# Altium PCB SI942C.PcbDoc (part 1 of 3)
Units mm, origin at the board's own origin, x right, y up, seen from the top; angles counter-clockwise.
Board outline 281.94 x 89 mm, 4 copper layers (Top, MidLayer1, MidLayer2, Bottom), stack 1.65 mm thick; 305 components, 164 nets, 851 pads, 594 vias.
Unrouted connection lines stored in the file: 4.
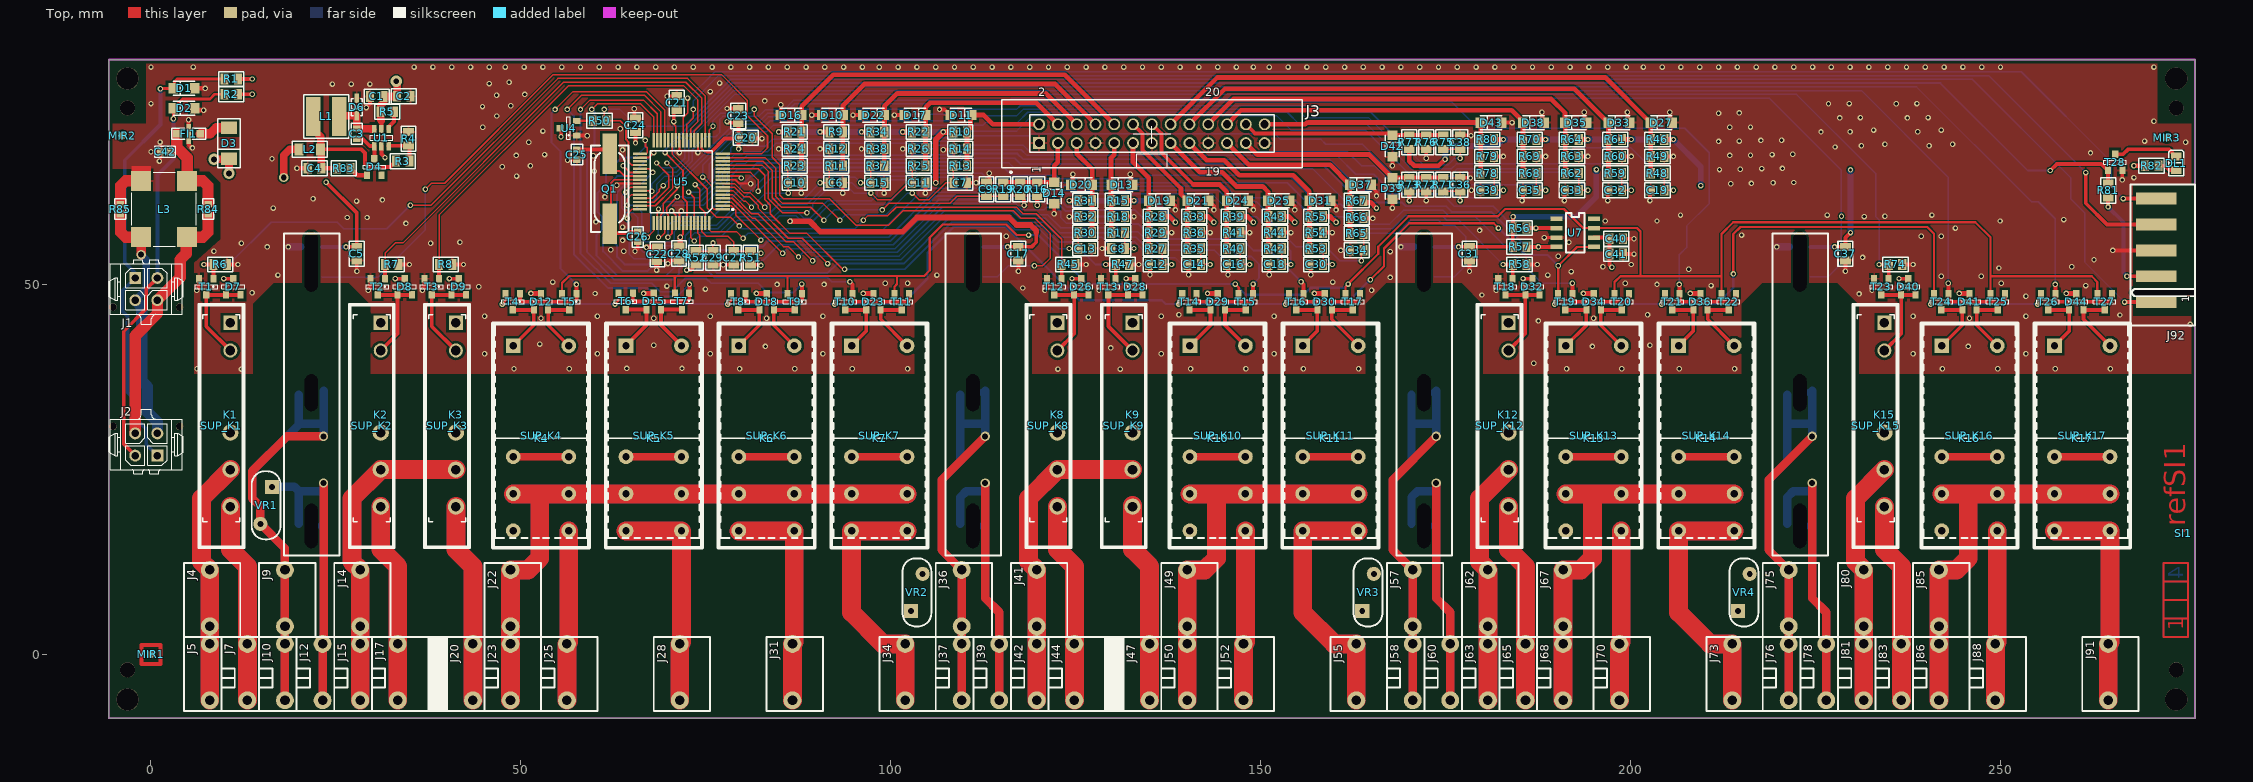
[diagram p0: Top view]
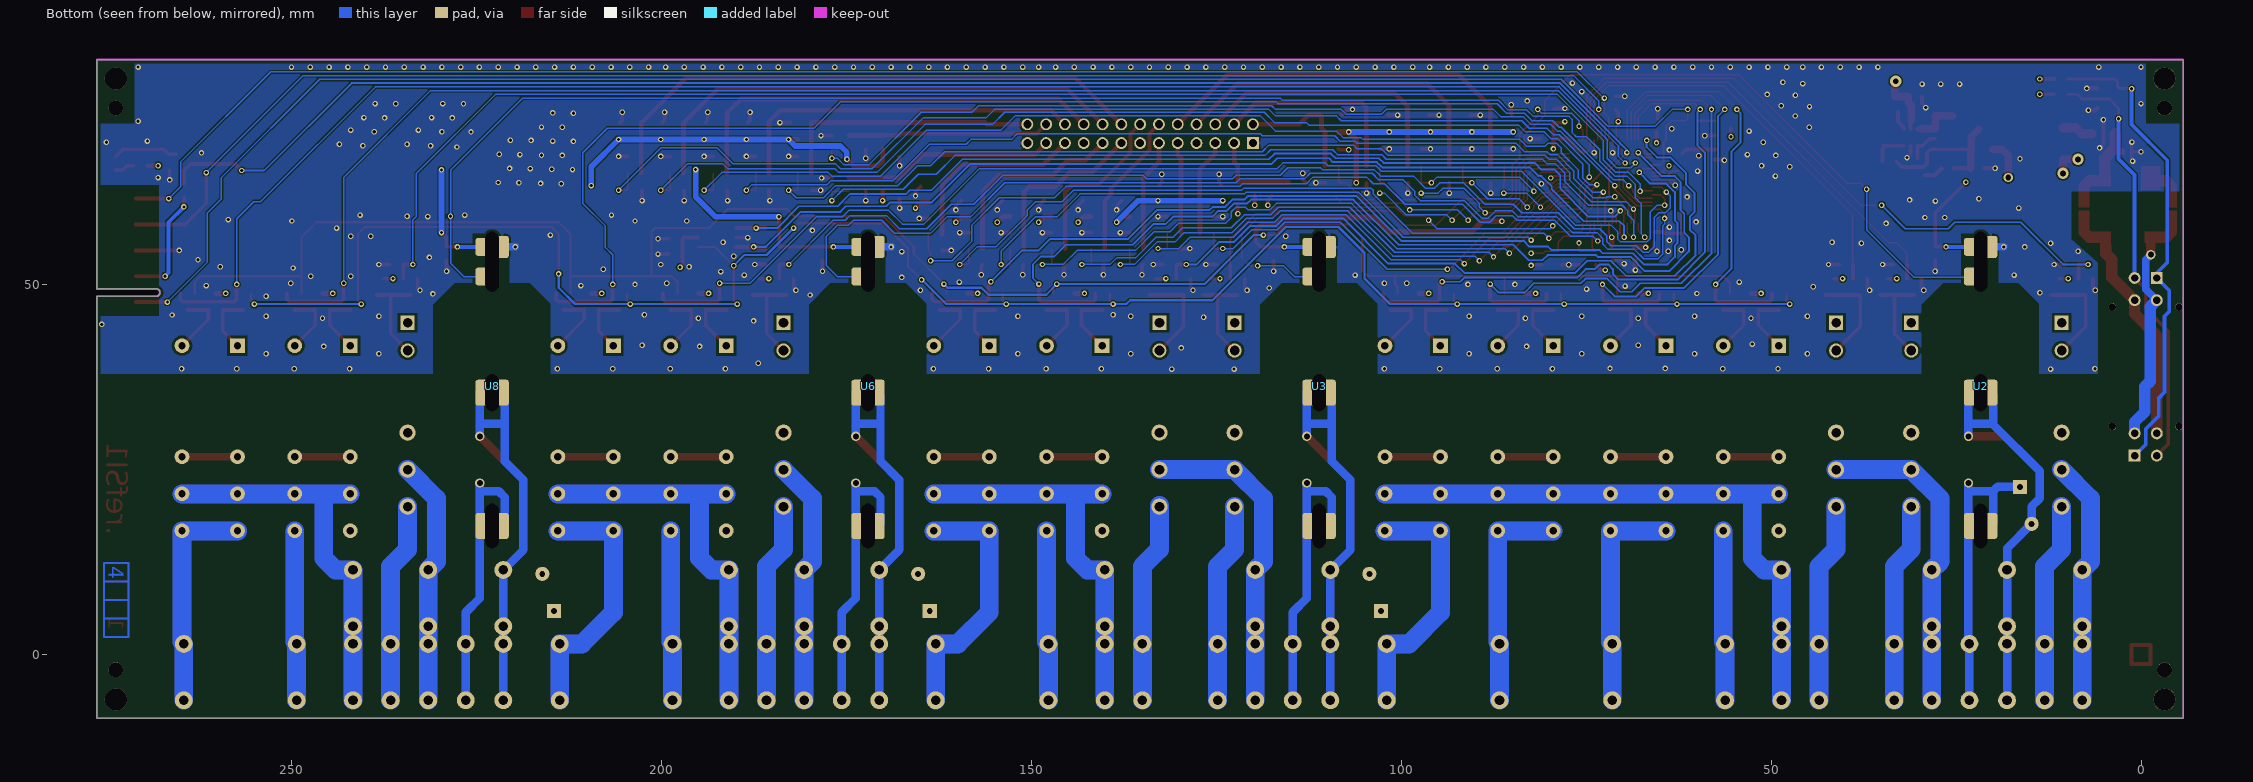
[diagram p1: Bottom view, seen from below]
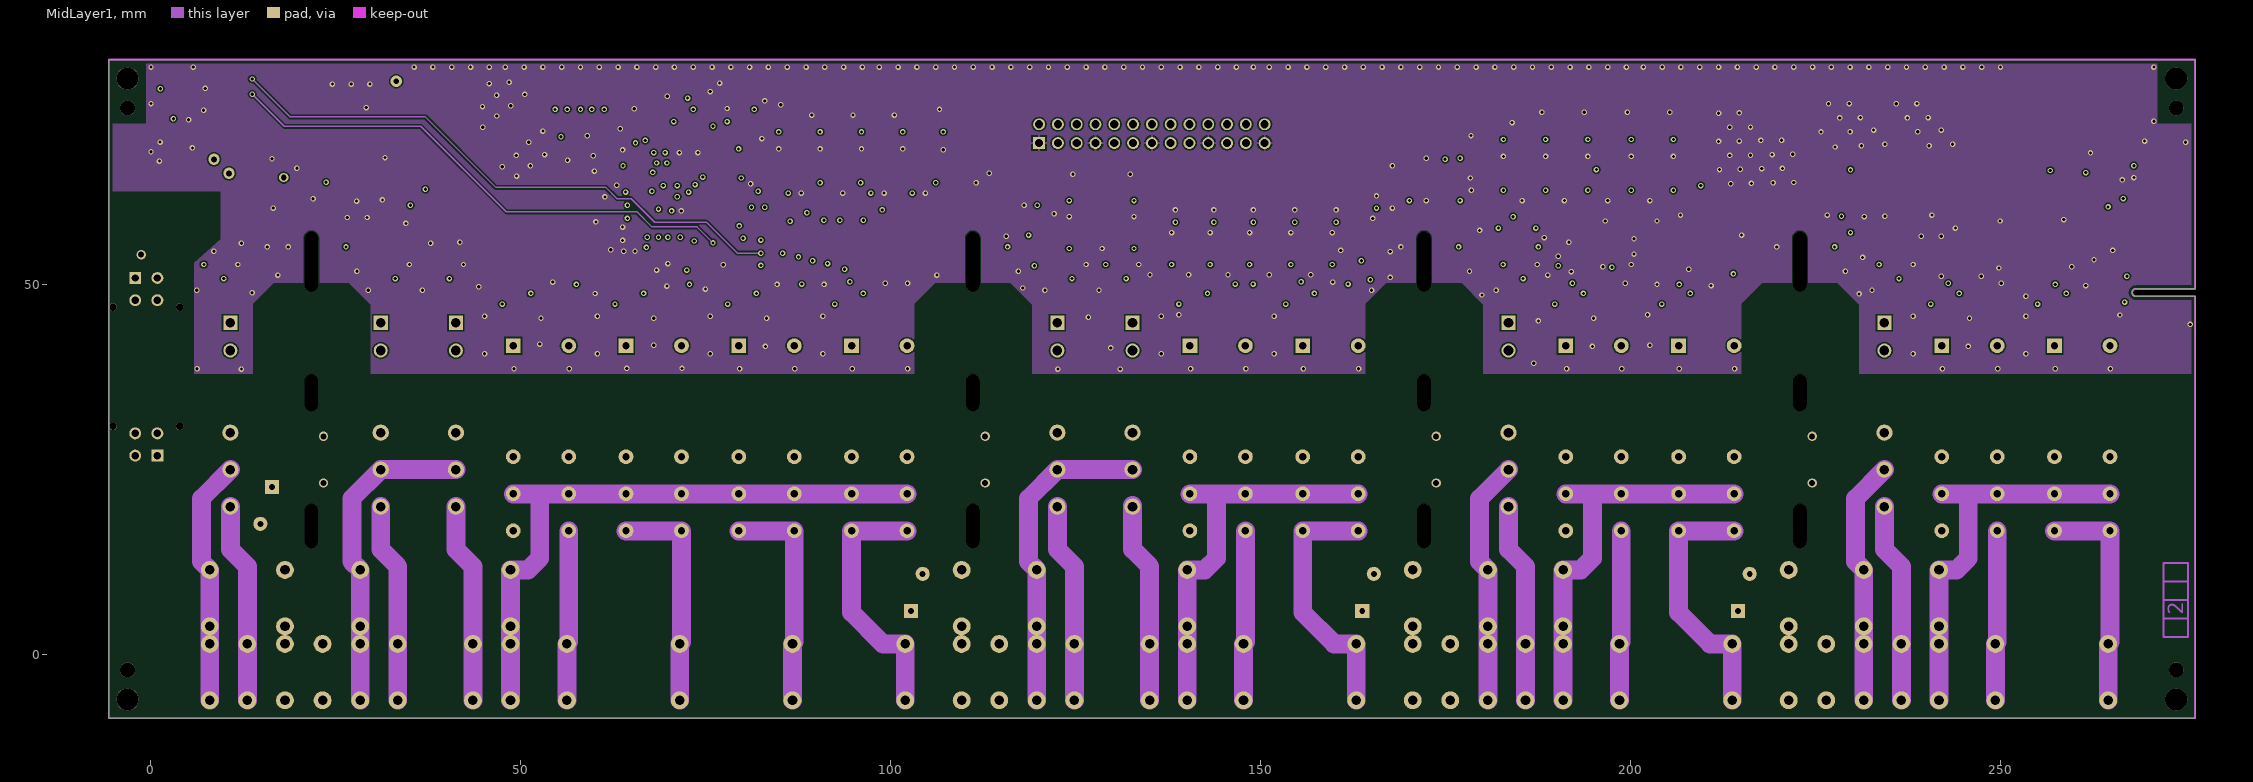
[diagram p2: MidLayer1]
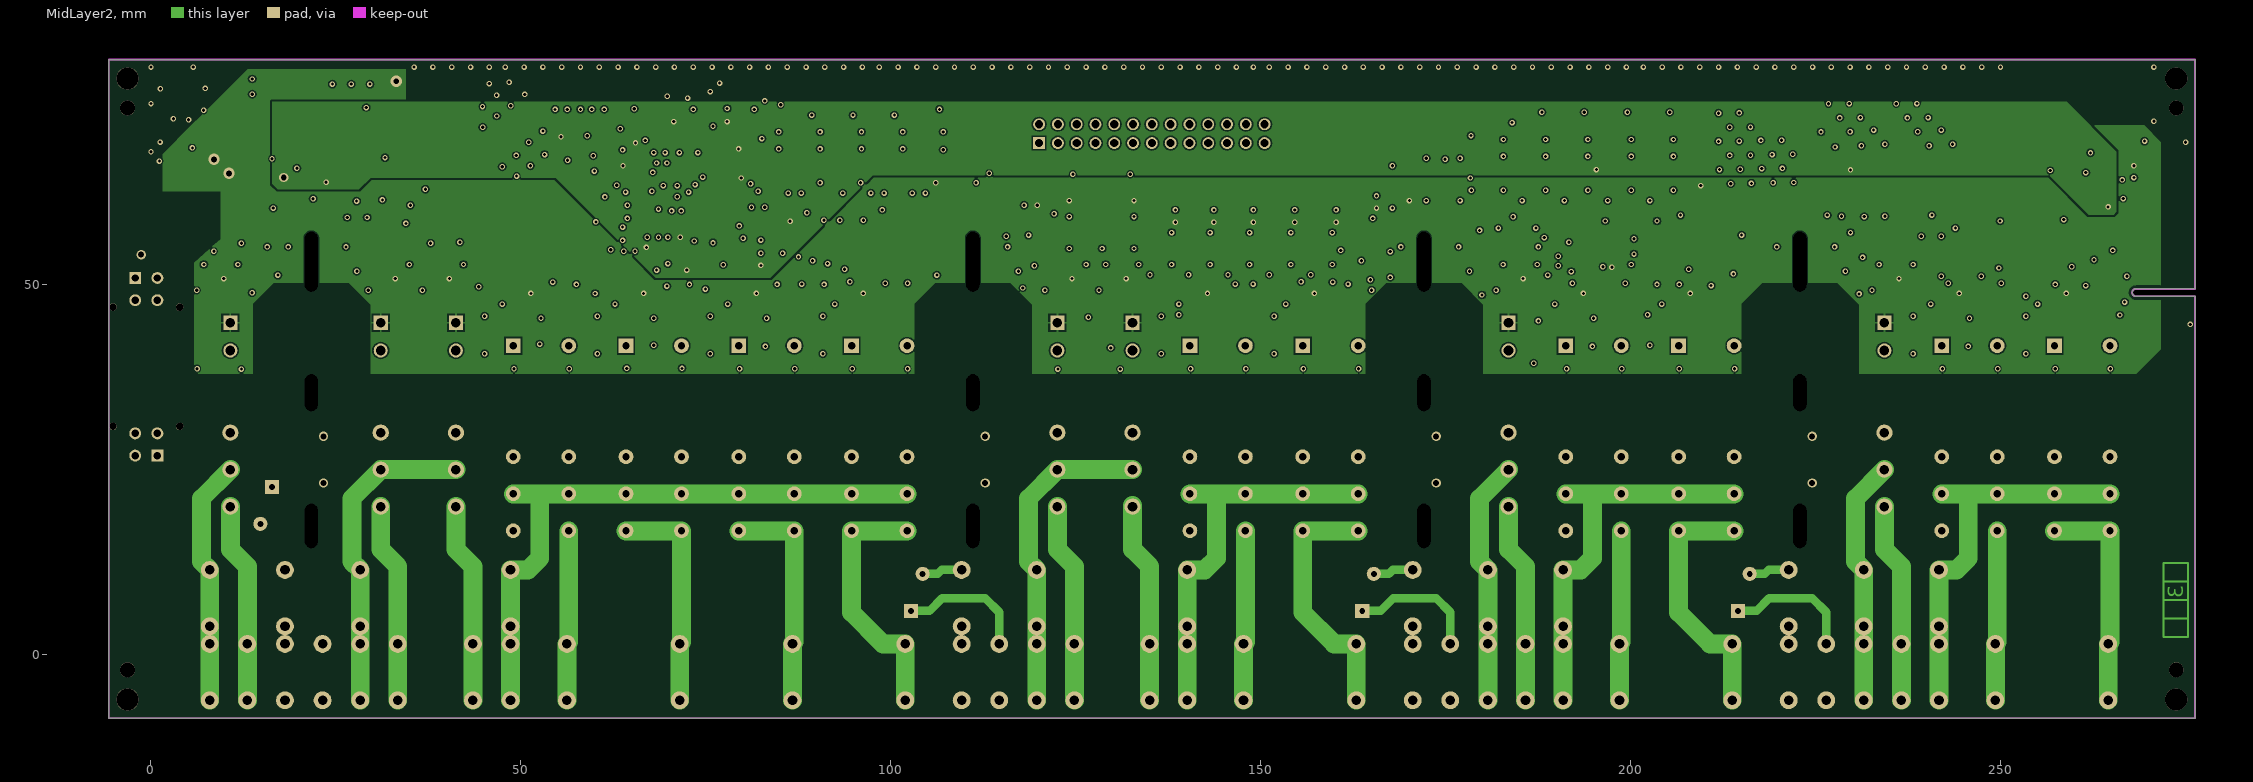
[diagram p3: MidLayer2]
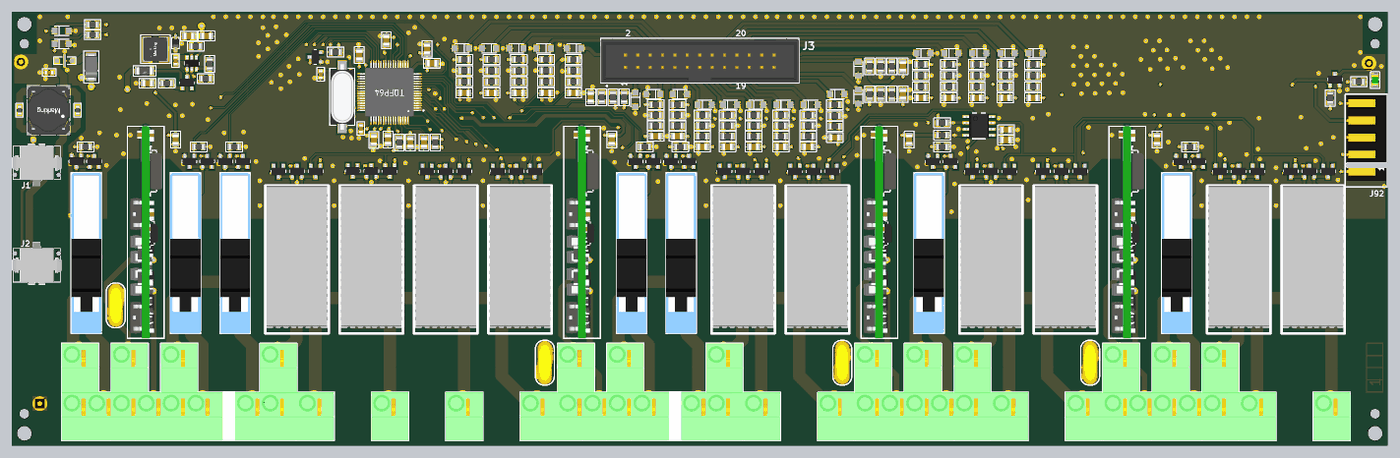
[diagram p6: 3D render of the assembled board from above, using the file's embedded part models]

## Layer stack, top to bottom
Top Mask: solder mask 0.0102, Solder Resist, Dk 3.5
Top: signal copper 0.035
Dielectric1: prepreg 0.4, FR-4, Dk 4.8
MidLayer1: signal copper 0.035
Dielectric2: core 0.71, FR-4, Dk 4.8
MidLayer2: signal copper 0.035
Dielectric3: prepreg 0.4, FR-4, Dk 4.8
Bottom: signal copper 0.035
Bot Mask: solder mask 0.0102, Solder Resist, Dk 3.5

## Board outline
-5.715,-8.62 -5.715,80.38 276.225,80.38 276.225,49.41 268.229,49.41 ccw(c268.229,48.91) 268.229,48.41 276.225,48.41 276.225,-8.62

## Design rules (kind name [scope] priority, off if disabled: settings)
Clearance Clearance_Copper_Board [InPolygon vs (OnLayer('Board'))] p1: gap=0.381
Clearance Clearance_BT_MID [IsElectrical and (InNetClass('BT') or haspad('K*-12') )  and OnMid     and not IsRegion vs IsElectrical and not (InNetClass('BT')) and OnMid          and not IsRegion] p2: gap=0.7
Clearance Clearance_BT_EXT [IsElectrical and (InNetClass('BT') or haspad('K*-12') )     and not onmid vs IsElectrical and not (InNetClass('BT')) and not onmid] p3: gap=5.5
Clearance Clearance_Copper_Copper [InPolygon vs InPolygon] p4: gap=0.35
Clearance Clearance_CopperToPad_EXT [InPolygon and (OnBottomLayer or OnTopLayer) vs IsPad] p5: gap=0.35
Clearance Clearance_CopperToPad_MID [InPolygon vs IsPad] p6: gap=0.2
Clearance Clearance_CopperToWire_x [InPolygon vs (not IsPad and not isboard)] p7: gap=0.2
Clearance Clearance_PadToPad [IsElectrical      and IsPad vs IsElectrical      and IsPad] p8: gap=0.15
Clearance Clearance_PadToWire_x [IsElectrical      and IsPad vs IsElectrical      and IsWire] p9: gap=0.15
Clearance Clearance_WireToWire_x [IsWire vs IsWire] p10: gap=0.15
Clearance Clearance_ViaToPad_x [IsVia vs IsPad] p11: gap=0.15
Clearance Clearance_ViaToPad_x_1 [IsVia vs IsPad] p12: gap=0.102
Clearance Clearance_ViaToWire_x [IsVia vs IsWire] p13: gap=0.15
Clearance Clearance_ViaToVia_x [ExistsOnLayer('Top') And IsVia vs ExistsOnLayer('Top') And IsVia] p14: gap=0.15
Clearance Clearance_Design_HoleToHole [(IsVia Or IsThruPin) vs (IsVia Or IsThruPin)] p15: gap=0.15
ComponentClearance [All] p1: gap=0.025 collisioncheckmode=3 verticalgap=2540 showdistances=FALSE
FabricationTestPointUsage TestPointUsage [All] p1: valid=0 allowmultiple=FALSE
FabricationTestpoint Testpoint [All] p1: side=3 testpointundercomponent=TRUE minsize=1.016 maxsize=2.54 preferedsize=1.524 minholesize=0 maxholesize=1.016 preferedholesize=0.813 testpointgrid=0.025 allowsidetop=TRUE allowsidebottom=TRUE usegrid=TRUE gridtolerance=0
HoleSize [All] p1: absolutevalues=TRUE maxlimit=10.16 minlimit=0.025 maxpercent=80.000 minpercent=20.000
MinimumSolderMaskSliver [All] p1: minsoldermaskwidth=0.102
PlaneClearance [All] p1: clearance=0.305
PlaneConnect [All] p1: planeconnectstyle=Direct reliefexpansion=0 reliefentries=4 reliefconductorwidth=0.254 reliefairgap=0.254
PolygonConnect PolygonConnect_1 [IsVia vs IsPolygon] p1: connectstyle=Direct reliefconductorwidth=0.254 reliefentries=4 polygonreliefangle="90 Angle" airgapwidth=0.254
PolygonConnect [IsPad vs IsPolygon] p2: connectstyle=Relief reliefconductorwidth=0.305 reliefentries=4 polygonreliefangle="90 Angle" airgapwidth=0.254
RoutingVias [All] p1: holewidth=0.432 width=0.737 viastyle="Through Hole" minholewidth=0.432 minwidth=0.737 maxholewidth=0.8 maxwidth=1.524
ShortCircuit [IsElectrical vs IsElectrical] p1: allowed=FALSE
SilkToSolderMaskClearance SilkscreenOverComponentPads [IsPad] p1: minsilkscreentomaskgap=0.254 clearancetoexposedcopper=TRUE
SolderMaskExpansion [All] p1: expansion=0.102
Width [All] p1: maxlimit=7.62 minlimit=0.152 preferedwidth=0.381 minimp=50.000000 maximp=50.000000 favimp=50.000000
21 further rules are at their usual default settings.

## Classes and differential pairs
net class BT: NetK1_12 NetK2_12 NetK3_12 NetK4_12 NetK5_12 NetK6_12 NetK7_12 NetK8_12 NetK9_12 NetK10_12 NetK11_12 NetK12_12 NetK13_12 NetK14_12 NetK15_12 NetK16_12 NetK17_12 RB0CO RB0NO RB1NO RB2NO RB3NO RB4CO RB4NO RB5NO RB6CO RB6NO RB7NO RB8CO RB8NO RB9NO RM0CO RM0NO RM1CO RM1NO RM2NO RM3CO RM3NO RM4NO RM5CO RM5NO RM6CO RM6NO RV0IN RV0OUT RV1IN RV1OUT RV2IN RV2OUT RV3IN RV3OUT

## Components (designator, comment, footprint, x,y, rotation, side; value= is the part's Value field where it differs from the comment)
C1 "C_0805_X7R_10%_100N-50V" 0805_ReflowSoldering_CAP#1 30.512,75.406 r180 top
C2 "C_0805_X5R_10%_10U-16V" 0805_ReflowSoldering_CAP#1 34.163,75.438 r180 top
C3 "C_0603_X7R_10%_10N-50V" 0603_ReflowSoldering_CAP 27.813,70.362 r270 top
C4 "C_0805_X5R_10%_10U-16V" 0805_ReflowSoldering_CAP#1 22.098,65.722 r0 top
C5 "C_0805_X7R_10%_100N-50V" 0805_ReflowSoldering_CAP#1 27.819,54.172 r270 top
C6 "C_0805_X7R_10%_100N-50V" 0805_ReflowSoldering_CAP#1 92.583,63.754 r180 top
C7 "C_0805_X7R_10%_100N-50V" 0805_ReflowSoldering_CAP#1 109.347,63.754 r180 top
C8 "C_0805_X7R_10%_100N-50V" 0805_ReflowSoldering_CAP#1 130.683,54.864 r0 top
C9 "C_0805_X7R_10%_100N-50V" 0805_ReflowSoldering_CAP#1 112.903,62.865 r270 top
C10 "C_0805_X7R_10%_100N-50V" 0805_ReflowSoldering_CAP#1 86.995,63.754 r180 top
C11 "C_0805_X7R_10%_100N-50V" 0805_ReflowSoldering_CAP#1 103.759,63.754 r180 top
C12 "C_0805_X7R_10%_100N-50V" 0805_ReflowSoldering_CAP#1 135.763,52.705 r0 top
C13 "C_0805_X7R_10%_100N-50V" 0805_ReflowSoldering_CAP#1 126.238,54.864 r180 top
C14 "C_0805_X7R_10%_100N-50V" 0805_ReflowSoldering_CAP#1 140.97,52.705 r0 top
C15 "C_0805_X7R_10%_100N-50V" 0805_ReflowSoldering_CAP#1 98.171,63.754 r180 top
C16 "C_0805_X7R_10%_100N-50V" 0805_ReflowSoldering_CAP#1 146.304,52.705 r0 top
C17 "C_0805_X7R_10%_100N-50V" 0805_ReflowSoldering_CAP#1 117.216,54.172 r270 top
C18 "C_0805_X7R_10%_100N-50V" 0805_ReflowSoldering_CAP#1 151.892,52.705 r0 top
C19 "C_0805_X7R_10%_100N-50V" 0805_ReflowSoldering_CAP#1 203.581,62.738 r0 top
C20 "C_0805_X7R_10%_100N-50V" 0805_ReflowSoldering_CAP#1 80.391,69.85 r0 top
C21 "C_0805_X7R_10%_100N-50V" 0805_ReflowSoldering_CAP#1 71.03,74.534 r270 top
C22 "C_0805_X7R_10%_100N-50V" 0805_ReflowSoldering_CAP#2 68.453,54.102 r90 top
C23 "C_0805_X7R_10%_100N-50V" 0805_ReflowSoldering_CAP#1 79.375,72.771 r270 top
C24 "C_0805_X7R_10%_100N-50V" 0805_ReflowSoldering_CAP#1 65.474,71.518 r270 top
C25 "C_0603_NPO_5%_18P-50V" 0603_ReflowSoldering_CAP 57.564,67.563 r90 top
C26 "C_0603_NPO_5%_18P-50V" 0603_ReflowSoldering_CAP 65.791,56.436 r90 top
C27 "C_0805_NPO_5%_22P-100V" 0805_ReflowSoldering_CAP#1 78.74,53.594 r90 top
C28 "C_0805_X7R_10%_100N-50V" 0805_ReflowSoldering_CAP#1 71.347,54.182 r90 top
C29 "C_0805_NPO_5%_22P-100V" 0805_ReflowSoldering_CAP#1 75.946,53.594 r90 top
C30 "C_0805_X7R_10%_100N-50V" 0805_ReflowSoldering_CAP#1 157.48,52.705 r0 top
C31 "C_0805_X7R_10%_100N-50V" 0805_ReflowSoldering_CAP#1 178.176,54.172 r270 top
C32 "C_0805_X7R_10%_100N-50V" 0805_ReflowSoldering_CAP#1 197.866,62.738 r0 top
C33 "C_0805_X7R_10%_100N-50V" 0805_ReflowSoldering_CAP#1 192.024,62.738 r0 top
C34 "C_0805_X7R_10%_100N-50V" 0805_ReflowSoldering_CAP#1 162.941,54.61 r0 top
C35 "C_0805_X7R_10%_100N-50V" 0805_ReflowSoldering_CAP#1 186.309,62.738 r0 top
C36 "C_0805_X7R_10%_100N-50V" 0805_ReflowSoldering_CAP#1 176.911,63.5 r270 top
C37 "C_0805_X7R_10%_100N-50V" 0805_ReflowSoldering_CAP#1 228.976,54.172 r270 top
C38 "C_0805_X7R_10%_100N-50V" 0805_ReflowSoldering_CAP#1 176.911,69.215 r270 top
C39 "C_0805_X7R_10%_100N-50V" 0805_ReflowSoldering_CAP#1 180.594,62.738 r0 top
C40 "C_0805_X7R_10%_100N-50V" 0805_ReflowSoldering_CAP#1 198.025,56.182 r0 top
C41 "C_0805_X5R_10%_10U-16V" 0805_ReflowSoldering_CAP#1 198.025,54.118 r180 top
C42 "C_0603_NPO_5%_220pF-50V" 0603_ReflowSoldering_CAP 1.905,67.945 r0 top
D1 "SMF5V0A-GS08" DO219AB-SMF-P_ReflowSoldering 4.477,76.502 r0 top
D2 "SMF5V0A-GS08" DO219AB-SMF-P_ReflowSoldering 4.477,73.803 r0 top
D3 "GF1B" DO214BA-P 10.541,69.072 r90 top
D4 "BAT54C" SOT23_3L_ReflowSoldering 30.194,65.881 r270 top
D6 "PMEG2020AEA" SOD323_ReflowSoldering 27.813,73.977 r90 top
D7 "BAT54C" SOT23_3L_ReflowSoldering 11.112,49.689 r270 top
D8 "BAT54C" SOT23_3L_ReflowSoldering 34.29,49.689 r270 top
D9 "BAT54C" SOT23_3L_ReflowSoldering 41.593,49.689 r270 top
D10 "SMF5V0A-GS08" DO219AB-SMF-P_ReflowSoldering 92.075,72.898 r180 top
D11 "SMF5V0A-GS08" DO219AB-SMF-P_ReflowSoldering 109.474,72.898 r180 top
D12 "BAT54C" SOT23_3L_ReflowSoldering 52.705,47.67 r270 top
D13 "SMF5V0A-GS08" DO219AB-SMF-P_ReflowSoldering 131.191,63.5 r0 top
D14 "SMF5V0A-GS08" DO219AB-SMF-P_ReflowSoldering 122.047,62.357 r270 top
D15 "BAT54C" SOT23_3L_ReflowSoldering 67.945,47.715 r270 top
D16 "SMF5V0A-GS08" DO219AB-SMF-P_ReflowSoldering 86.487,72.898 r180 top
D17 "SMF5V0A-GS08" DO219AB-SMF-P_ReflowSoldering 103.251,72.898 r180 top
D18 "BAT54C" SOT23_3L_ReflowSoldering 83.185,47.67 r270 top
D19 "SMF5V0A-GS08" DO219AB-SMF-P_ReflowSoldering 136.271,61.341 r0 top
D20 "SMF5V0A-GS08" DO219AB-SMF-P_ReflowSoldering 125.73,63.5 r180 top
D21 "SMF5V0A-GS08" DO219AB-SMF-P_ReflowSoldering 141.478,61.341 r0 top
D22 "SMF5V0A-GS08" DO219AB-SMF-P_ReflowSoldering 97.663,72.898 r180 top
D23 "BAT54C" SOT23_3L_ReflowSoldering 97.631,47.67 r270 top
D24 "SMF5V0A-GS08" DO219AB-SMF-P_ReflowSoldering 146.812,61.341 r0 top
D25 "SMF5V0A-GS08" DO219AB-SMF-P_ReflowSoldering 152.4,61.341 r0 top
D26 "BAT54C" SOT23_3L_ReflowSoldering 125.73,49.689 r270 top
D27 "SMF5V0A-GS08" DO219AB-SMF-P_ReflowSoldering 204.089,71.882 r0 top
D28 "BAT54C" SOT23_3L_ReflowSoldering 133.032,49.689 r270 top
D29 "BAT54C" SOT23_3L_ReflowSoldering 144.145,47.67 r270 top
D30 "BAT54C" SOT23_3L_ReflowSoldering 158.591,47.67 r270 top
D31 "SMF5V0A-GS08" DO219AB-SMF-P_ReflowSoldering 157.988,61.341 r0 top
D32 "BAT54C" SOT23_3L_ReflowSoldering 186.69,49.689 r270 top
D33 "SMF5V0A-GS08" DO219AB-SMF-P_ReflowSoldering 198.374,71.882 r0 top
D34 "BAT54C" SOT23_3L_ReflowSoldering 194.945,47.67 r270 top
D35 "SMF5V0A-GS08" DO219AB-SMF-P_ReflowSoldering 192.532,71.882 r0 top
D36 "BAT54C" SOT23_3L_ReflowSoldering 209.391,47.67 r270 top
D37 "SMF5V0A-GS08" DO219AB-SMF-P_ReflowSoldering 163.449,63.5 r0 top
D38 "SMF5V0A-GS08" DO219AB-SMF-P_ReflowSoldering 186.817,71.882 r0 top
D39 "SMF5V0A-GS08" DO219AB-SMF-P_ReflowSoldering 167.767,62.992 r270 top
D40 "BAT54C" SOT23_3L_ReflowSoldering 237.49,49.689 r270 top
D41 "BAT54C" SOT23_3L_ReflowSoldering 245.745,47.67 r270 top
D42 "SMF5V0A-GS08" DO219AB-SMF-P_ReflowSoldering 167.767,68.707 r270 top
D43 "SMF5V0A-GS08" DO219AB-SMF-P_ReflowSoldering 181.102,71.882 r0 top
D44 "BAT54C" SOT23_3L_ReflowSoldering 260.191,47.67 r270 top
DL1 "LED_0805_VERT_KP2012" LED_0805_KPx_Green 273.685,66.38 r270 top locked
FI1 "EMIFIL_220P_25V/6A_NFE31PT221D1E9L" NFE31P 5.08,70.358 r0 top
J1 "MICRO-MATE-N-LOK_WURTH_2X02_D" MICRO-MATE-N-LOK_WURTH+TYCO_2X02_D -0.635,49.38 r180 top locked
J2 "MICRO-MATE-N-LOK_WURTH_2X02_D" MICRO-MATE-N-LOK_WURTH+TYCO_2X02_D -0.635,28.38 r0 top locked
J3 "61202621621" IDC2P54_26P 135.255,70.38 r0 top locked
J4 "BRESS_CI_D_7.62_01_FFKDSA1/V2" BRESS_FFKDSA1/V2-7,62_P1.3 4.445,2.38 r0 top
J5 "BRESS_CI_D_5.08_01_FFKDS/V2" BRESS_FFKDS/V2-5,08_P1.3 4.445,-7.62 r0 top
J7 "BRESS_CI_D_5.08_01_FFKDS/V2" BRESS_FFKDS/V2-5,08_P1.3 9.525,-7.62 r0 top
J9 "BRESS_CI_D_7.62_01_FFKDSA1/V2" BRESS_FFKDSA1/V2-7,62_P1.3 14.605,2.38 r0 top
J10 "BRESS_CI_D_5.08_01_FFKDS/V2" BRESS_FFKDS/V2-5,08_P1.3 14.605,-7.62 r0 top
J12 "BRESS_CI_D_5.08_01_FFKDS/V2" BRESS_FFKDS/V2-5,08_P1.3 19.685,-7.62 r0 top
J14 "BRESS_CI_D_7.62_01_FFKDSA1/V2" BRESS_FFKDSA1/V2-7,62_P1.3 24.765,2.38 r0 top
J15 "BRESS_CI_D_5.08_01_FFKDS/V2" BRESS_FFKDS/V2-5,08_P1.3 24.765,-7.62 r0 top
J17 "BRESS_CI_D_7.62_01_FFKDSA1/V2" BRESS_FFKDSA1/V2-7,62_P1.3 29.845,-7.62 r0 top
J20 "BRESS_CI_D_5.08_01_FFKDS/V2" BRESS_FFKDS/V2-5,08_P1.3 40.005,-7.62 r0 top
J22 "BRESS_CI_D_7.62_01_FFKDSA1/V2" BRESS_FFKDSA1/V2-7,62_P1.3 45.085,2.38 r0 top
J23 "BRESS_CI_D_7.62_01_FFKDSA/V2" BRESS_FFKDSA/V2-7,62_P1.3 45.085,-7.62 r0 top
J25 "BRESS_CI_D_7.62_01_FFKDSA1/V2" BRESS_FFKDSA1/V2-7,62_P1.3 52.705,-7.62 r0 top
J28 "BRESS_CI_D_7.62_01_FFKDSA1/V2" BRESS_FFKDSA1/V2-7,62_P1.3 67.945,-7.62 r0 top
J31 "BRESS_CI_D_7.62_01_FFKDSA1/V2" BRESS_FFKDSA1/V2-7,62_P1.3 83.185,-7.62 r0 top
J34 "BRESS_CI_D_7.62_01_FFKDSA/V2" BRESS_FFKDSA/V2-7,62_P1.3 98.425,-7.62 r0 top
J36 "BRESS_CI_D_7.62_01_FFKDSA1/V2" BRESS_FFKDSA1/V2-7,62_P1.3 106.045,2.38 r0 top
J37 "BRESS_CI_D_5.08_01_FFKDS/V2" BRESS_FFKDS/V2-5,08_P1.3 106.045,-7.62 r0 top
J39 "BRESS_CI_D_5.08_01_FFKDS/V2" BRESS_FFKDS/V2-5,08_P1.3 111.125,-7.62 r0 top
J41 "BRESS_CI_D_7.62_01_FFKDSA1/V2" BRESS_FFKDSA1/V2-7,62_P1.3 116.205,2.38 r0 top
J42 "BRESS_CI_D_5.08_01_FFKDS/V2" BRESS_FFKDS/V2-5,08_P1.3 116.205,-7.62 r0 top
J44 "BRESS_CI_D_7.62_01_FFKDSA1/V2" BRESS_FFKDSA1/V2-7,62_P1.3 121.285,-7.62 r0 top
J47 "BRESS_CI_D_5.08_01_FFKDS/V2" BRESS_FFKDS/V2-5,08_P1.3 131.445,-7.62 r0 top
J49 "BRESS_CI_D_7.62_01_FFKDSA1/V2" BRESS_FFKDSA1/V2-7,62_P1.3 136.525,2.38 r0 top
J50 "BRESS_CI_D_7.62_01_FFKDSA/V2" BRESS_FFKDSA/V2-7,62_P1.3 136.525,-7.62 r0 top
J52 "BRESS_CI_D_7.62_01_FFKDSA1/V2" BRESS_FFKDSA1/V2-7,62_P1.3 144.145,-7.62 r0 top
J55 "BRESS_CI_D_7.62_01_FFKDSA/V2" BRESS_FFKDSA/V2-7,62_P1.3 159.385,-7.62 r0 top
J57 "BRESS_CI_D_7.62_01_FFKDSA1/V2" BRESS_FFKDSA1/V2-7,62_P1.3 167.005,2.38 r0 top
J58 "BRESS_CI_D_5.08_01_FFKDS/V2" BRESS_FFKDS/V2-5,08_P1.3 167.005,-7.62 r0 top
J60 "BRESS_CI_D_5.08_01_FFKDS/V2" BRESS_FFKDS/V2-5,08_P1.3 172.085,-7.62 r0 top
J62 "BRESS_CI_D_7.62_01_FFKDSA1/V2" BRESS_FFKDSA1/V2-7,62_P1.3 177.165,2.38 r0 top
J63 "BRESS_CI_D_5.08_01_FFKDS/V2" BRESS_FFKDS/V2-5,08_P1.3 177.165,-7.62 r0 top
J65 "BRESS_CI_D_5.08_01_FFKDS/V2" BRESS_FFKDS/V2-5,08_P1.3 182.245,-7.62 r0 top
J67 "BRESS_CI_D_7.62_01_FFKDSA1/V2" BRESS_FFKDSA1/V2-7,62_P1.3 187.325,2.38 r0 top
J68 "BRESS_CI_D_7.62_01_FFKDSA/V2" BRESS_FFKDSA/V2-7,62_P1.3 187.325,-7.62 r0 top
J70 "BRESS_CI_D_7.62_01_FFKDSA1/V2" BRESS_FFKDSA1/V2-7,62_P1.3 194.945,-7.62 r0 top
J73 "BRESS_CI_D_7.62_01_FFKDSA/V2" BRESS_FFKDSA/V2-7,62_P1.3 210.185,-7.62 r0 top
J75 "BRESS_CI_D_7.62_01_FFKDSA1/V2" BRESS_FFKDSA1/V2-7,62_P1.3 217.805,2.38 r0 top
J76 "BRESS_CI_D_5.08_01_FFKDS/V2" BRESS_FFKDS/V2-5,08_P1.3 217.805,-7.62 r0 top
J78 "BRESS_CI_D_5.08_01_FFKDS/V2" BRESS_FFKDS/V2-5,08_P1.3 222.885,-7.62 r0 top
J80 "BRESS_CI_D_7.62_01_FFKDSA1/V2" BRESS_FFKDSA1/V2-7,62_P1.3 227.965,2.38 r0 top
J81 "BRESS_CI_D_5.08_01_FFKDS/V2" BRESS_FFKDS/V2-5,08_P1.3 227.965,-7.62 r0 top
J83 "BRESS_CI_D_5.08_01_FFKDS/V2" BRESS_FFKDS/V2-5,08_P1.3 233.045,-7.62 r0 top
J85 "BRESS_CI_D_7.62_01_FFKDSA1/V2" BRESS_FFKDSA1/V2-7,62_P1.3 238.125,2.38 r0 top
J86 "BRESS_CI_D_7.62_01_FFKDSA/V2" BRESS_FFKDSA/V2-7,62_P1.3 238.125,-7.62 r0 top
J88 "BRESS_CI_D_7.62_01_FFKDSA1/V2" BRESS_FFKDSA1/V2-7,62_P1.3 245.745,-7.62 r0 top
J91 "BRESS_CI_D_7.62_01_FFKDSA1/V2" BRESS_FFKDSA1/V2-7,62_P1.3 260.985,-7.62 r0 top
J92 "EMB_ZEC_1893711_HOTE" EMB_ZEC_1893711_HOTE_NOBOTT 270.975,54.61 r90 top
K1 "RELAY_12VDC_1RT_34.51" RELAY_FINDER_34.51_+SUPPORT_93 9.525,30.88 r270 top
K2 "RELAY_12VDC_1RT_34.51" RELAY_FINDER_34.51_+SUPPORT_93 29.845,30.88 r270 top
K3 "RELAY_12VDC_1RT_34.51" RELAY_FINDER_34.51_+SUPPORT_93 40.005,30.88 r270 top
K4 "RELAY_12VDC_1RT_BI_40.61.6" RELAY_FINDER_40.61_+SUPPORT_95 52.705,29.575 r0 top
K5 "RELAY_12VDC_1RT_BI_40.61.6" RELAY_FINDER_40.61_+SUPPORT_95 67.945,29.575 r0 top
K6 "RELAY_12VDC_1RT_BI_40.61.6" RELAY_FINDER_40.61_+SUPPORT_95 83.185,29.575 r0 top
K7 "RELAY_12VDC_1RT_BI_40.61.6" RELAY_FINDER_40.61_+SUPPORT_95 98.425,29.575 r0 top